# Altium PCB C3_AI_V2.PcbDoc (part 1 of 2)
Units mil, origin at the board's own origin, x right, y up, seen from the top; angles counter-clockwise.
Board outline 1771.65 x 1417.32 mil, 2 copper layers (Top Layer, Bottom Layer); 129 components, 82 nets, 390 pads, 222 vias.
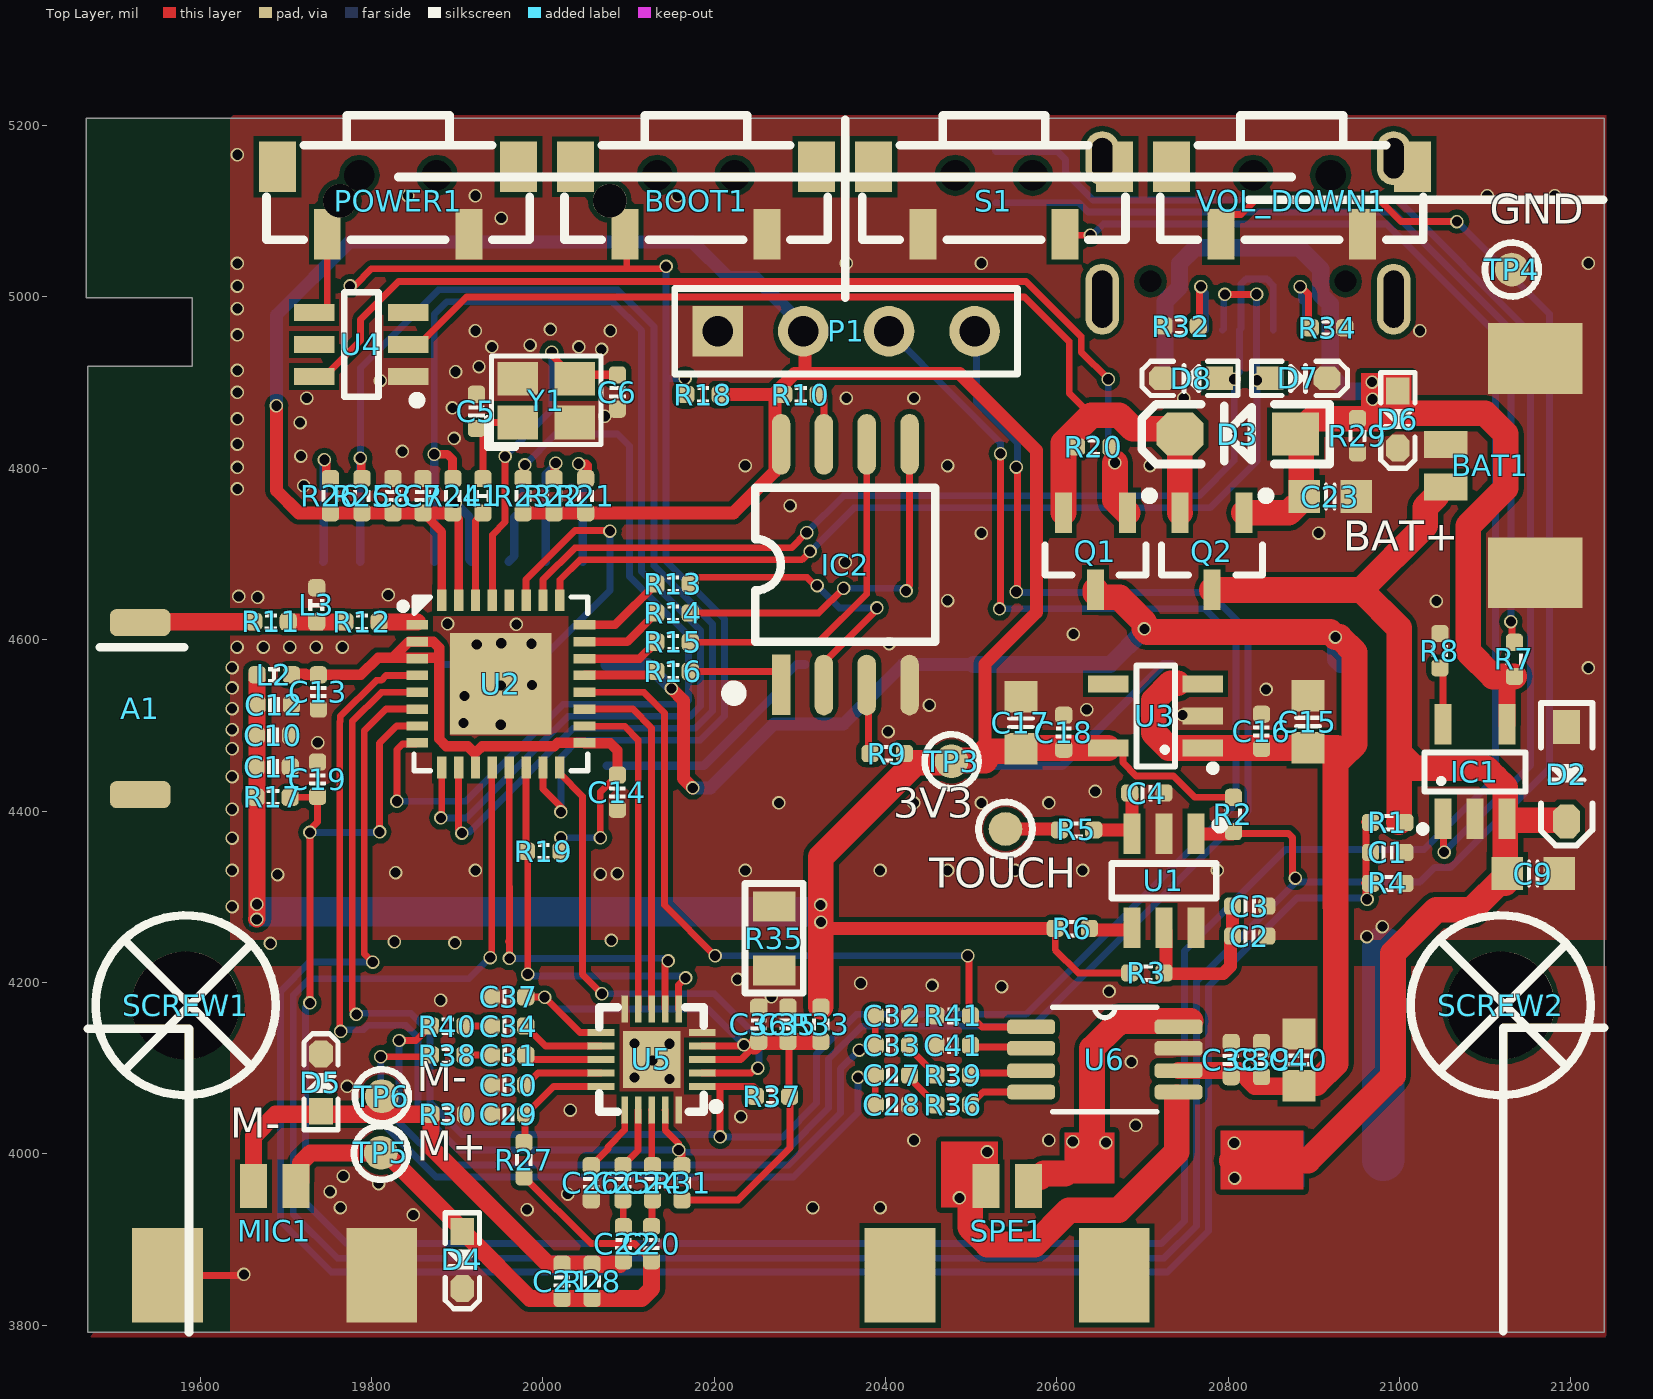
[diagram p0: Top Layer view]
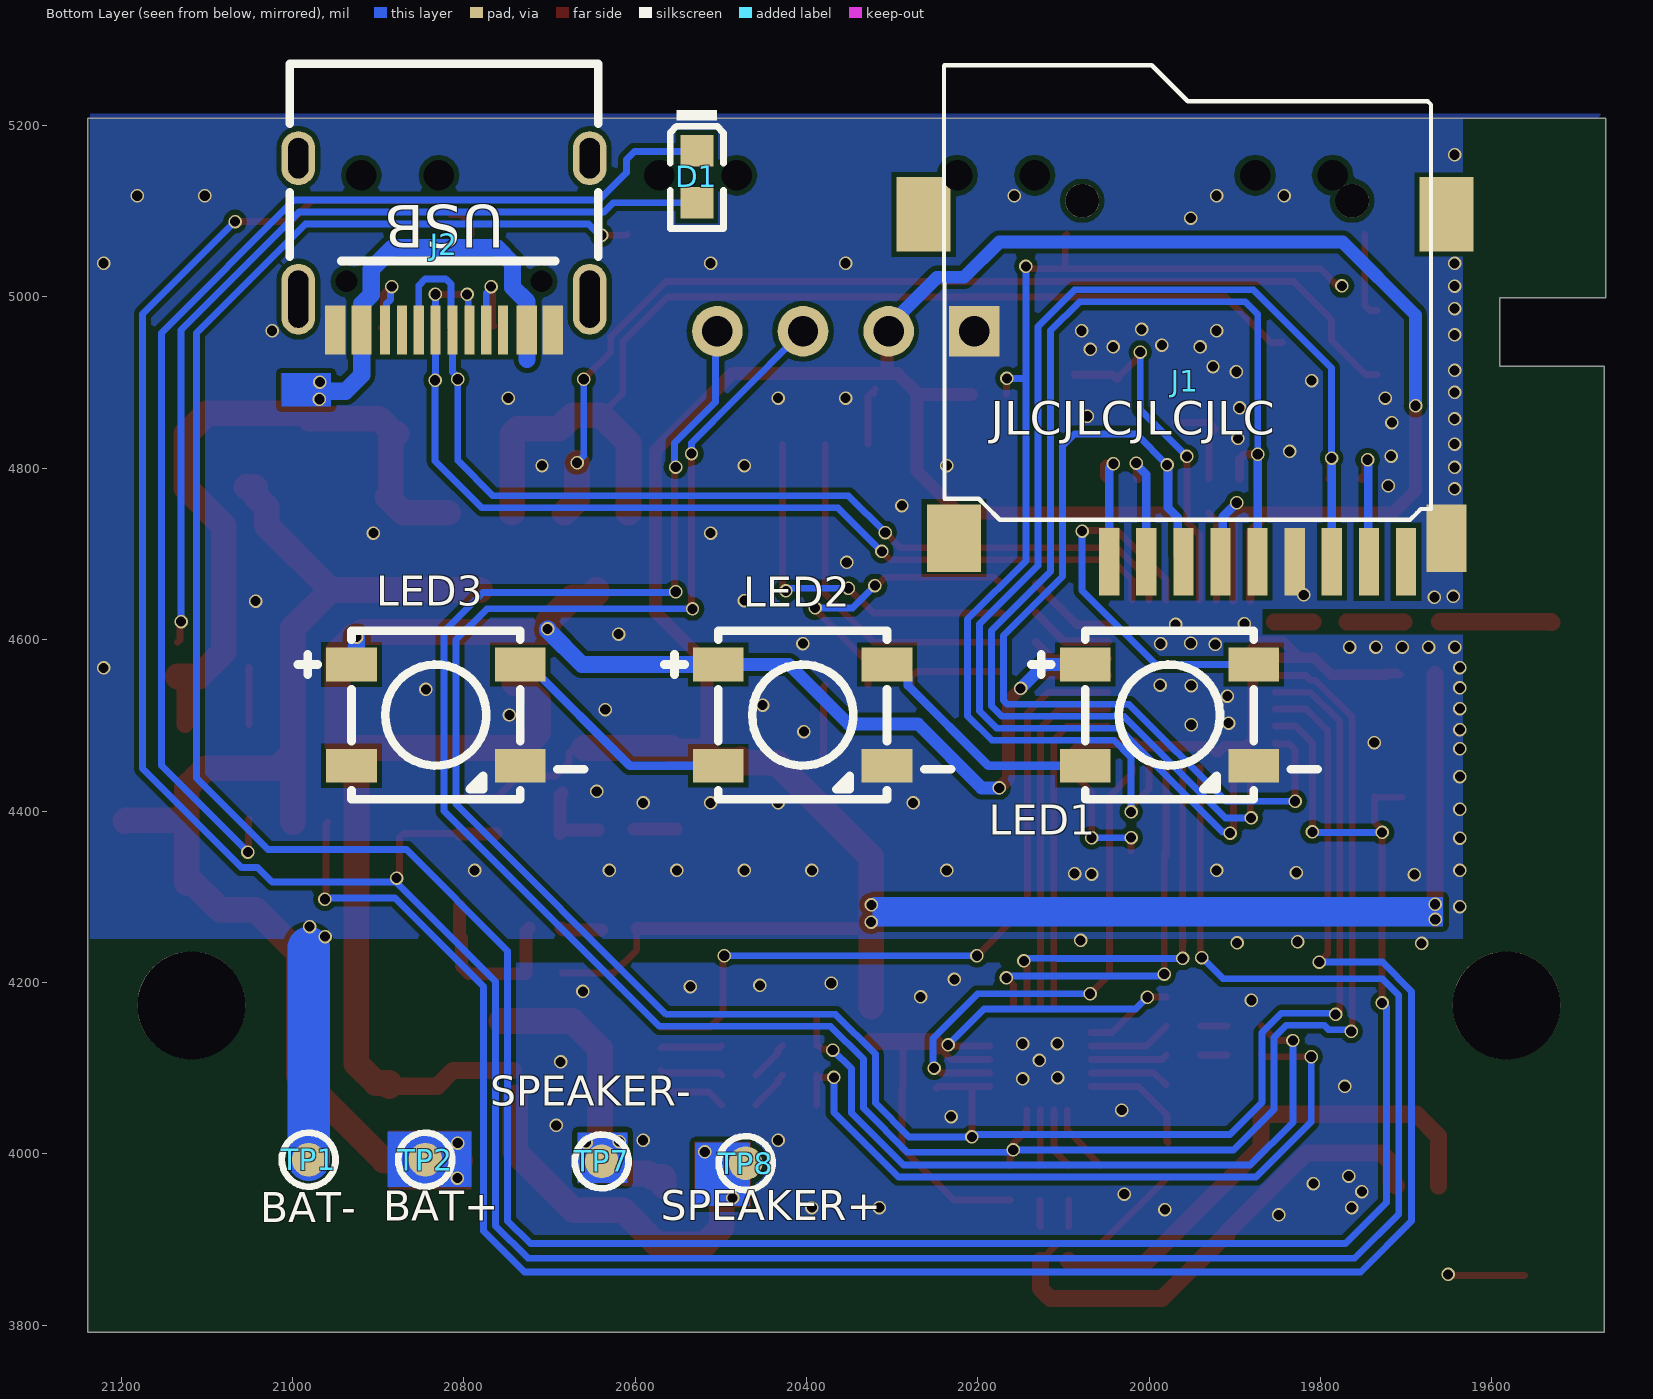
[diagram p1: Bottom Layer view, seen from below]
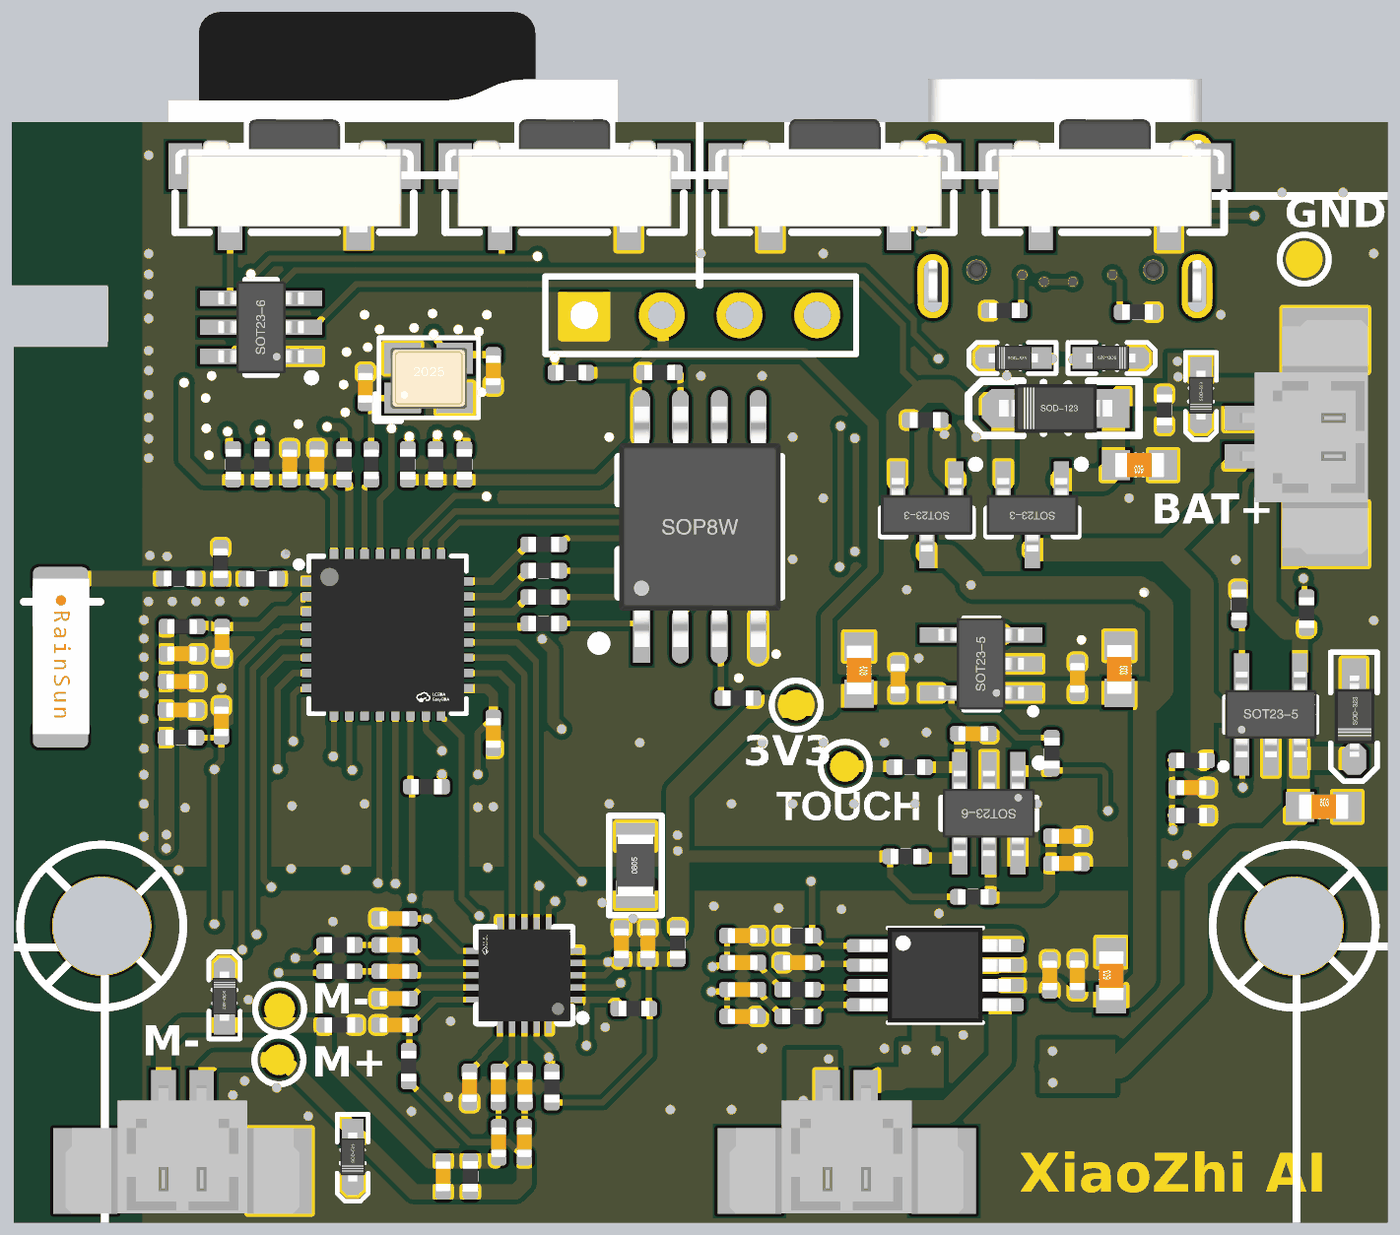
[diagram p3: 3D render of the assembled board from above, using the file's embedded part models]
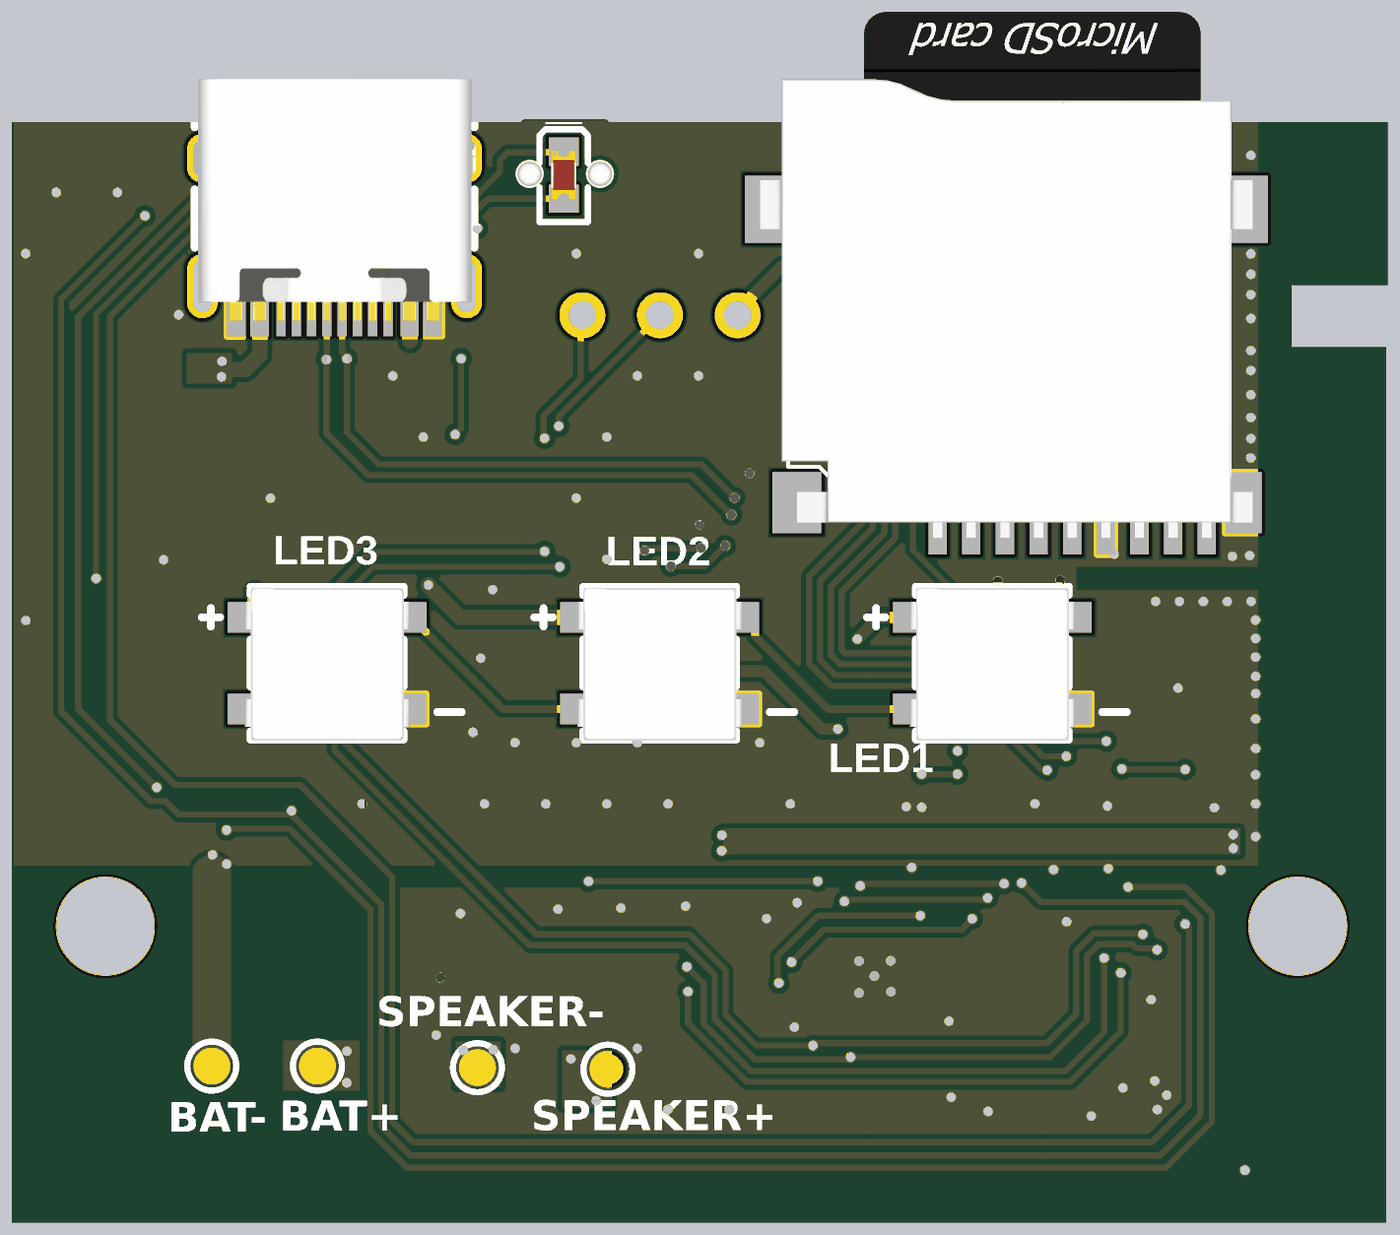
[diagram p4: 3D render of the assembled board from below, using the file's embedded part models]

## Layer stack, top to bottom
Top Solder: solder mask 0.4, Solder Resist, Dk 3.5
Top Layer: signal copper 1.4
Dielectric 1: dielectric 12.6, FR-4, Dk 4.8
Bottom Layer: signal copper 1.4
Bottom Solder: solder mask 0.4, Solder Resist, Dk 3.5

## Board outline
19469,4311 19469,4919 19591,4919 19591,4999 19467,4999 19467,5208.67 21238.65,5208.67 21238.65,3791.35 19469,3791.35

## Design rules (kind name [scope] priority, off if disabled: settings)
Clearance [All] p1: gap=6 ignorepadtopadclearanceinfootprint=FALSE
PolygonConnect [All] p1: connectstyle=Direct reliefconductorwidth=10 reliefentries=4 polygonreliefangle="90 Angle" airgapwidth=10
RoutingVias [All] p1: holewidth=11.81 width=15.75 viastyle="Through Hole" minholewidth=11.81 minwidth=15.75 maxholewidth=11.81 maxwidth=15.75
SolderMaskExpansion [All] p1: expansion=4 istentingtop=FALSE
Width [All] p1: maxlimit=100 minlimit=8 preferedwidth=10
30 further rules are at their usual default settings.

## Components (designator, comment, footprint, x,y, rotation, side; value= is the part's Value field where it differs from the comment)
A1 "CA-C03 单极天线" ANT-Rainsun-AN5120 19530,4520 r270 top
BAT1 "BAT" "MOLEX 53398-0271" 21103,4803 r270 top
BOOT1 "BOOT" "TSW 3*6*4.3-S-W" 20178.77,5142 r180 top
C1 "0.1uF" CAP_0402 20986.13,4351.58 r180 top
C2 "10uF" CAP_0402 20825,4254 r180 top
C3 "0.1uF" CAP_0402 20825,4289 r180 top
C4 "10pF NPO" CAP_0402 20705,4421 r180 top value=0.1uF
C5 "18pF" CAP_0402 19922.5,4866.5 r270 top value=0.1u
C6 "18pF" CAP_0402 20087,4889 r270 top value=0.1u
C7 "1uF" CAP_0402 19860,4768 r270 top value=0.1u
C8 "10nF" CAP_0402 19825,4768 r270 top value=0.1u
C9 "10UF" C0603 21156,4327 r0 top
C10 "10uF" CAP_0402 19685.5,4488.29 r180 top value=0.1u
C11 "0.1uF" CAP_0402 19685.12,4451.61 r180 top value=0.1u
C12 "1uF" CAP_0402 19686.5,4524 r180 top value=0.1u
C13 "0.1uF" CAP_0402 19738,4539 r90 top value=0.1u
C14 "0.1uF" CAP_0402 20087,4422 r90 top value=0.1u
C15 "10uF" C0603 20893,4504 r270 top
C16 "0.1uF" CAP_0402 20839,4493 r270 top
C17 "10uF" C0603 20558,4503 r270 top
C18 "0.1uF" CAP_0402 20608,4492 r270 top
C19 "1uF" CAP_0402 19737,4437 r270 top value=0.1u
C20 "0.1uF" CAP_0402 20127,3895 r90 top
C21 "100pF" CAP_0402 20022.5,3851 r270 top value=220pF
C22 "0.1uF" CAP_0402 20094,3895 r90 top
C23 "22uF" C0603 20919,4767 r180 top
C24 "1uF" CAP_0402 20128,3966 r270 top
C25 "105" CAP_0402 20093.5,3966 r270 top
C26 "1uF" CAP_0402 20056.5,3966 r270 top
C27 "0.1uF" CAP_0402 20408,4091.67 r180 top
C28 "22PF" CAP_0402 20408,4057 r0 top
C29 "1uF" CAP_0402 19960,4046 r0 top
C30 "1uF" CAP_0402 19960,4080 r180 top
C31 "1uF" CAP_0402 19960,4115 r0 top
C32 "22PF" CAP_0402 20408,4161 r180 top
C33 "0.1uF" CAP_0402 20408,4126.33 r180 top
C34 "1uF" CAP_0402 19960,4149 r0 top
C35 "0.1uF" CAP_0402 20286,4151 r90 top
C36 "10uF" CAP_0402 20252,4151 r90 top
C37 "1uF" CAP_0402 19960,4183 r180 top
C38 "1uF" CAP_0402 20803.44,4109.86 r90 top
C39 "1nF" CAP_0402 20838.92,4110 r90 top
C40 "22uF" C0603 20882.53,4109.47 r90 top
C41 "1uF" CAP_0402 20479,4126.33 r180 top
D1 "红灯 0603" 0603_LED_S1 20528,5140.32 r270 bottom
D2 "1N5819" SOD-323 21195,4443 r270 top
D3 "DSK24" SOD-123 20811,4840 r180 top
D4 "LESD5D5.0CT1G" SOD-523 19906,3876 r270 top
D5 "LESD5D5.0CT1G" SOD-523 19741,4083 r90 top
D6 "LESD5D5.0CT1G" SOD-523 20998,4857 r270 top
D7 "LESD5D5.0CT1G" SOD-523 20882,4905 r0 top
D8 "LESD5D5.0CT1G" SOD-523 20756.54,4905 r180 top
IC1 "PW4054" SOT23-5N 21088,4446 r0 top
IC2 "W25Q128-3.3V" SOP8-FLASH 20353,4687.51 r90 top
J1 "TF_Card" TF卡座 19948,4981 r90 bottom
J2 "USB-TYPE-C-019" "USB Type-C-16Pin_A" 20823,5162 r0 bottom
L1 "H0402" IND_0402Q 19930,4768 r90 top value=22nH
L2 "H0402" IND_0402Q 19686.5,4559 r0 top value=2nH
L3 "H0402" IND_0402Q 19736.02,4640.61 r270 top value=3nH
LED1 "XL-5050RGBC-WS2812B" LED-SMD_4P-L5.0-W5.0-BL_XL-5050RGBC 19976,4515.52 r180 bottom
LED2 "XL-5050RGBC-WS2812B" LED-SMD_4P-L5.0-W5.0-BL_XL-5050RGBC 20404.18,4515.52 r180 bottom
LED3 "XL-5050RGBC-WS2812B" LED-SMD_4P-L5.0-W5.0-BL_XL-5050RGBC 20832.36,4515.52 r180 bottom
MIC1 "MIC" "MOLEX 53398-0271" 19687,3913 r180 top
P1 "0.96/OLED" HDR1X4 20204,4960 r0 top
POWER1 "3*6侧按键高寿命双弹片" "TSW 3*6*4.3-S-W" 19831,5142 r180 top
Q1 "AO3401A" SOT23-3N 20645,4703 r180 top
Q2 "AO3401A" SOT23-3N 20781,4703 r180 top
R1 "200K" RES_0402 20986.13,4386.58 r0 top
R2 "1K" RES_0402 20806,4396 r270 top value=22R
R3 "1K" RES_0402 20705,4211 r0 top value=22R
R4 "100K" RES_0402 20986.13,4315.58 r180 top
R5 "1K" RES_0402 20623,4378 r0 top value=22R
R6 "1K" RES_0402 20618,4263 r0 top value=22R
R7 "1K" RES_0402 21134,4577 r270 top
R8 "2K" RES_0402 21047,4587 r90 top
R9 "10K" RES_0402 20402,4467 r180 top value=22R
R10 "10K" RES_0402 20301.24,4886.09 r0 top value=22R
R11 "0R" RES_0402 19682.73,4620.91 r180 top
R12 "0R" RES_0402 19788.92,4620.66 r180 top
R13 "0R" RES_0402 20152,4665 r180 top
R14 "0R" RES_0402 20152,4631 r180 top
R15 "0R" RES_0402 20152,4597 r180 top
R16 "0R" RES_0402 20152,4563 r180 top
R17 "10K" RES_0402 19685,4416 r0 top value=22R
R18 "10K" RES_0402 20187,4886 r180 top value=22R
R19 "10K" RES_0402 20001,4353 r180 top value=22R
R20 "100K" RES_0402 20643,4825 r0 top
R21 "51K" RES_0402 20050,4768 r90 top
R22 "51K" RES_0402 20013,4768 r90 top
R23 "51K" RES_0402 19977,4768 r90 top
R24 "51K" RES_0402 19895,4768 r90 top
R25 "51K" RES_0402 19789,4768 r90 top
R26 "51K" RES_0402 19752,4768 r90 top
R27 "2.2K" RES_0402 19978,3993 r270 top
R28 "10K" RES_0402 20057.5,3851 r90 top
R29 "100K" RES_0402 20951,4838 r90 top
R30 "2.2K" RES_0402 19889.5,4046 r0 top
R31 "2.2K" RES_0402 20162.5,3966 r270 top
R32 "5.1K" RES_0402 20745,4966 r0 top
R33 "0R" RES_0402 20324.5,4151 r90 top
R34 "5.1K" RES_0402 20916,4964 r0 top
R35 "0R" "R 0805_L" 20270,4251.4 r90 top
R36 "100K" RES_0402 20479,4057 r0 top
R37 "2.2K" RES_0402 20268,4067 r0 top
R38 "0R" RES_0402 19889,4115 r0 top
R39 "100K" RES_0402 20479,4091.67 r0 top
R40 "0R" RES_0402 19889,4149 r0 top
R41 "10K" RES_0402 20479,4161 r180 top
S1 "RST" "TSW 3*6*4.3-S-W" 20526.54,5142 r180 top
SCREW1 "M3螺丝" M3螺丝 19583,4173.23 r90 top
SCREW2 "M3螺丝" M3螺丝 21118,4173.23 r90 top
SPE1 "SPE" "MOLEX 53398-0271" 20542,3913 r180 top
TOUCH "TP 1mm" "SMT Test Point" 20540,4379 r90 top (schematic designator TOUCH1)
TP1 "TP 1mm" "SMT Test Point" 20981,3993 r90 bottom
TP2 "TP 1mm" "SMT Test Point" 20845,3993 r90 bottom
TP3 "TP 1mm" "SMT Test Point" 20477,4458 r0 top
TP4 "TP 1mm" "SMT Test Point" 21131,5032 r90 top
TP5 "TP 1mm" "SMT Test Point" 19811,4001 r90 top
TP6 "TP 1mm" "SMT Test Point" 19812,4067 r90 top
TP7 "TP 1mm" "SMT Test Point" 20639,3991 r90 bottom
TP8 "TP 1mm" "SMT Test Point" 20471,3989 r90 bottom
U1 "CT8233" SOT23-6N 20725.01,4318.59 r180 top
U2 "ESP32-C3" QFN-32_L5.0-W5.0-P0.50-TL-EP3.7 19951,4549 r90 top
U3 "ME6217C33M5G" SOT23-5N 20715,4511 r90 top
U4 "SAM8108" SOT23-6N 19788.03,4944.49 r90 top
U5 "ES8311-S" ES8311 20127,4110 r90 top
U6 "NS4150B" MSOP-8 20656,4110 r0 top
VOL_DOWN1 "VOL_DOWN" "TSW 3*6*4.3-S-W" 20874.31,5142 r180 top
Y1 "40MHz/20PPM" "OSC 2025-4P" 20004,4879 r0 top
